# Altium PCB duo_x.PcbDoc (part 2 of 3)
Units mm, origin at the board's own origin, x right, y up, seen from the top; angles counter-clockwise.
Board outline 172 x 152 mm, 2 copper layers (Top Layer, Bottom Layer), stack 1.581 mm thick; 199 components, 164 nets, 858 pads, 437 vias.
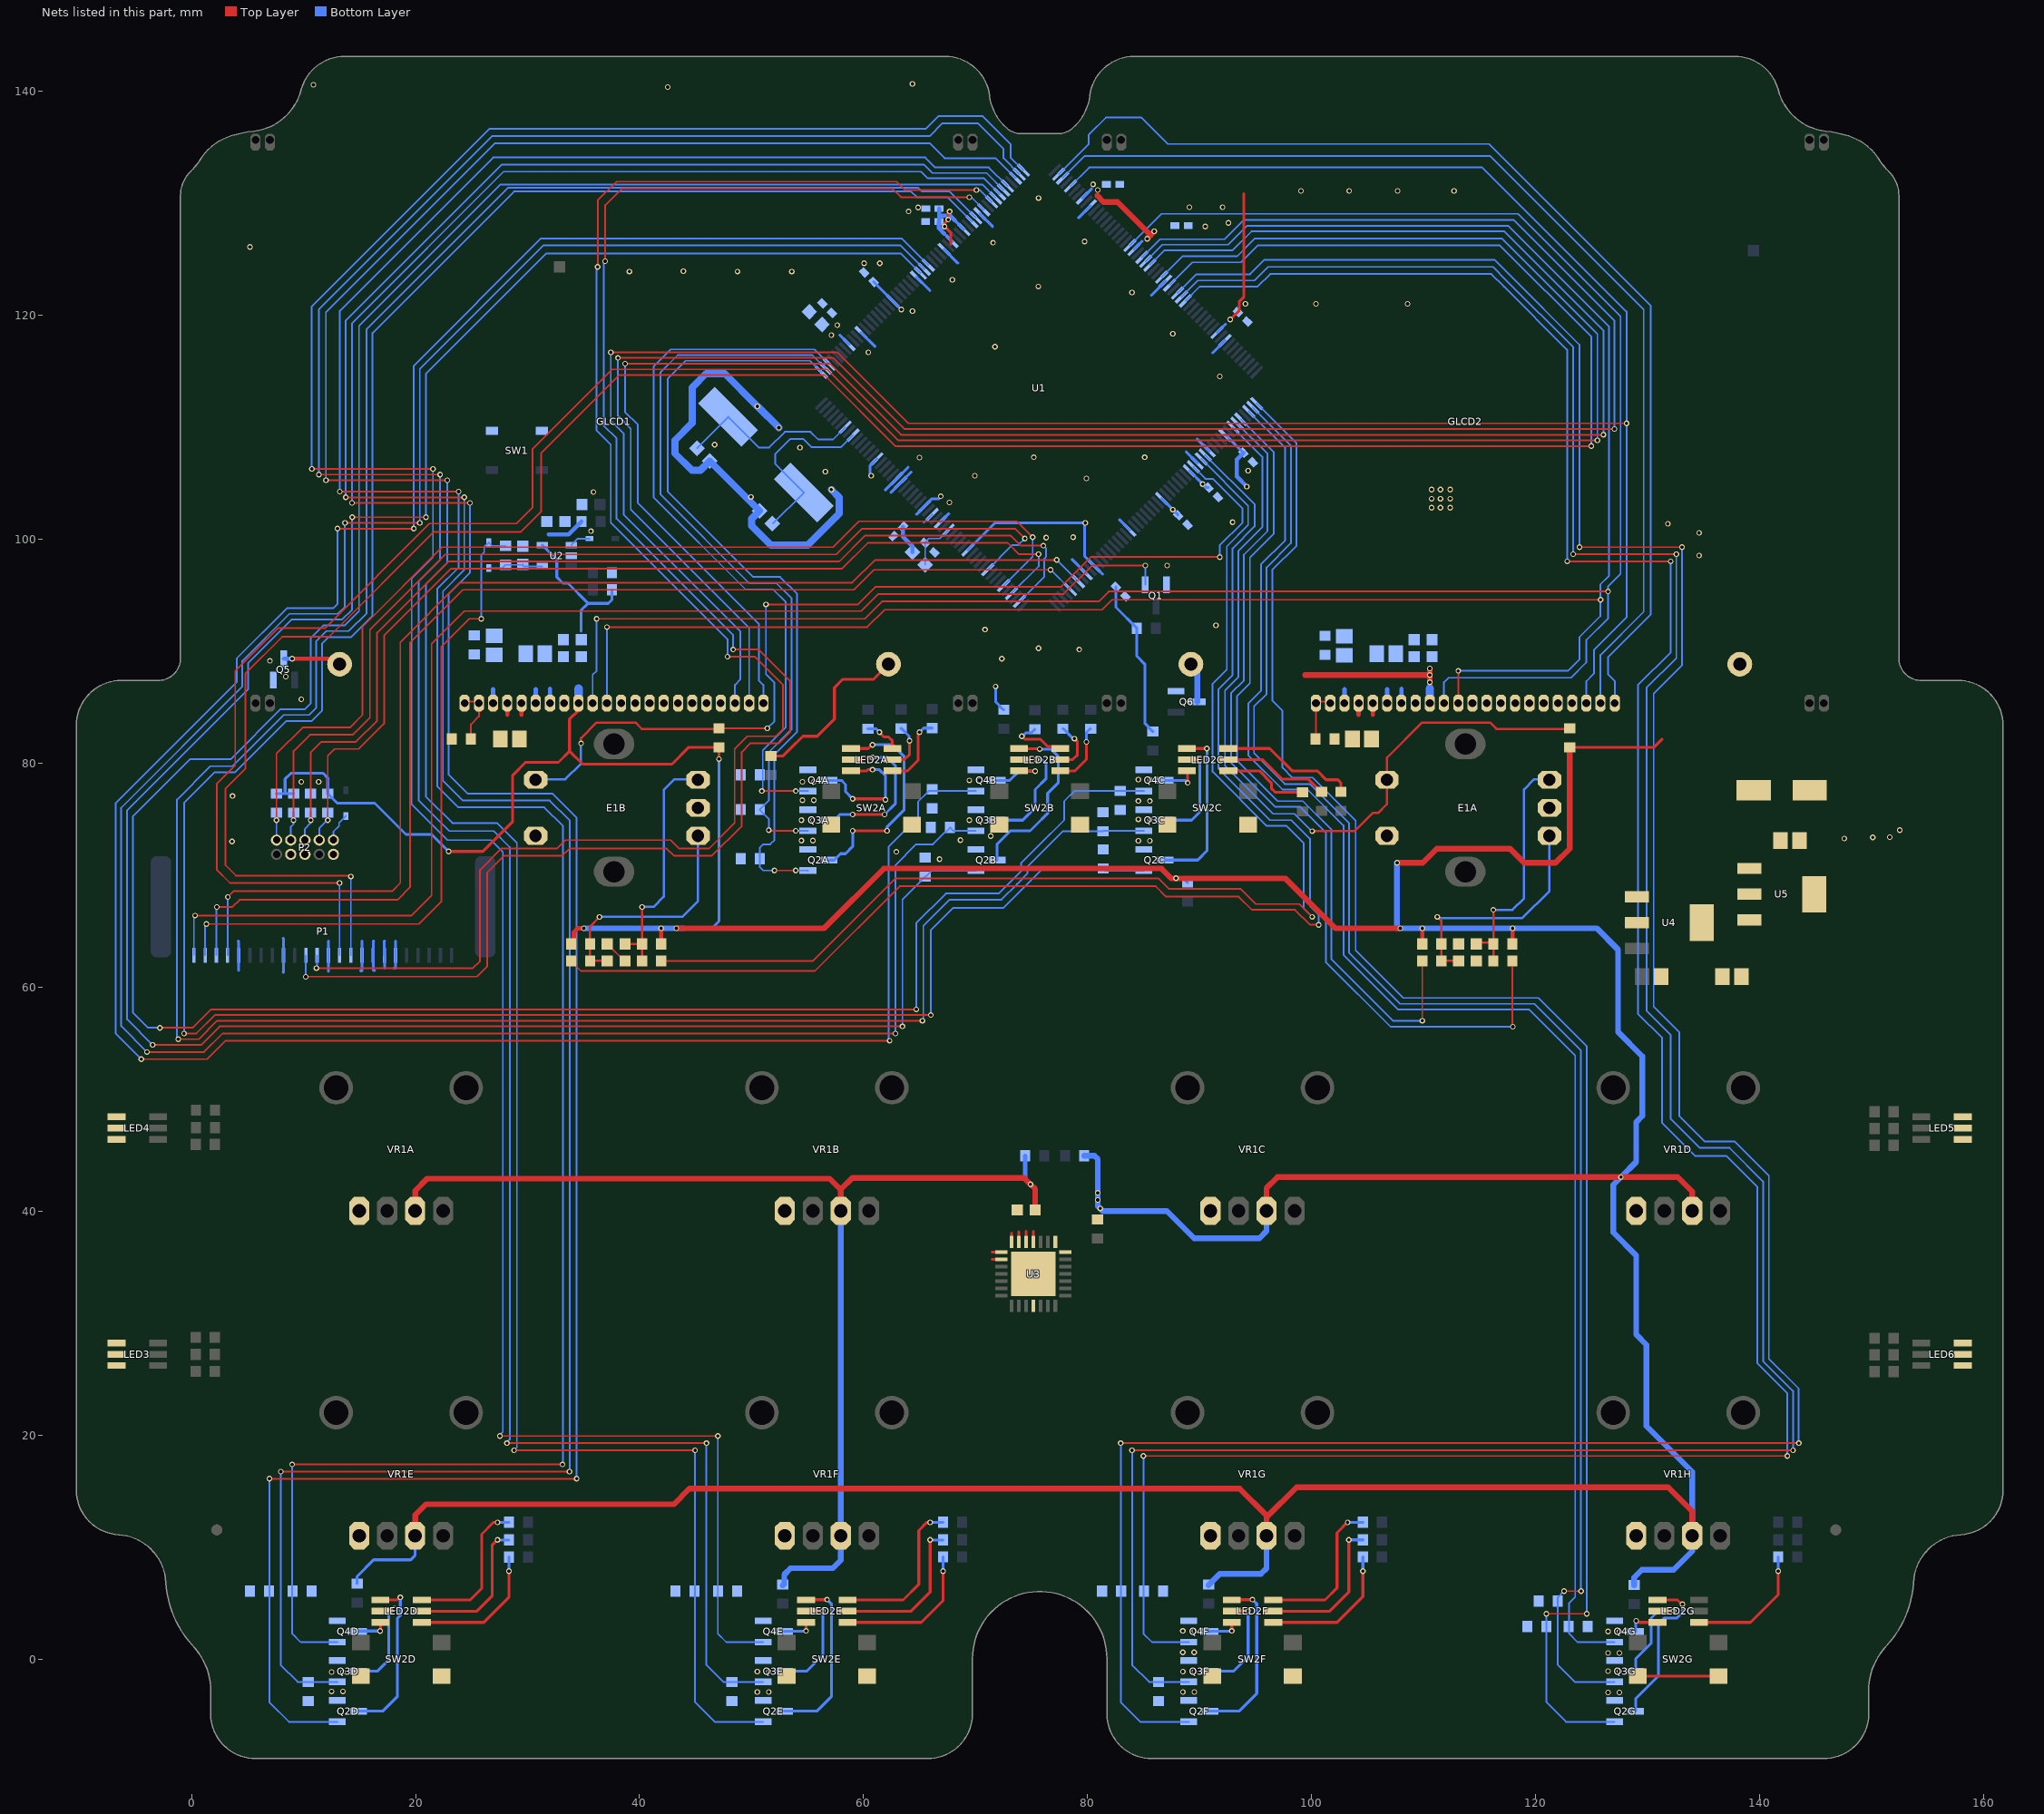
[diagram p2: the nets of this part, all layers, seen from the top]

## Via types
v1: diameter 0.5, hole 0.3, Top Layer to Bottom Layer, tented both sides, 437 vias

## Nets (pads, with @x,y where several pads share a name; then routed paths per layer and width w, separated by ;. In a path a pad name is that pad's centre, name@x,y a point inside that pad or via, vN(x,y) a via of type N, cw(c..) or ccw(c..) an arc to the next point about the centre after c; other vN are vias at no path point)
+3V3: C4.2 C7.2 C8.2 C9.2 C10.2 C11.2 C12.2 C13.2 C14.2 C15.2 C18.1 C19.1 C23.1 C24.1 C28.1 C29.1 C32.2 C33.2 C34.2 C35.2 C36.2 GLCD1.14 GLCD1.24 GLCD2.14 GLCD2.24 L1.2 R1.1 R2.2 R3.2 R4.2 R6.1 R7.1 R8.1 R10.1 R11.2 R13A.2 R13B.2 R13C.2 R13D.2 R13E.2 R13F.2 R13G.2 R17A.2 R17B.2 R18A.2 R18B.2 R20A.2 R20B.2 R34.1 U1.15 U1.26 U1.38 U1.60 U1.71 U1.86 U1.89 U1.112 U1.125 U1.146 U1.165 U1.174 U1.181 U1.198 U2.5 U3.25 U3.26 U5.2 VR1A.3 VR1B.3 VR1C.3 VR1D.3 VR1E.3 VR1F.3 VR1G.3 VR1H.3 | length 734.4
  Top Layer w0.254: v1(22.954,72.136) 26.002,72.136 28.669,74.803 28.669,78.954 29.813,80.098 32.753,80.098 33.749,81.094 ; GLCD1.14@34.541,85.36 34.541,84.746 33.749,83.954 33.749,81.094 ; v1(47.084,80.391) R17B.2@47.084,81.446 44.396,81.446 42.887,79.937 34.906,79.937 33.749,81.094 ; R13A.2@51.72,80.674 52.828,80.674 53.434,81.28 54.577,82.423 55.847,82.423 57.388,83.964 57.388,86.758 58.133,87.503 60.885,87.503 GLCD1.24@62.216,88.835 ; v1(67.679,129.286) 67.545,129.152 v1(67.545,128.559) 67.225,128.239 v1(67.225,127.934) 67.785,127.374 67.785,126.365 ; U3.26@74.501,37.267 74.501,38.227 ; U3.25@75.151,37.267 75.151,38.227 ; v1(92.724,119.634) 93.545,120.455 93.545,121.257 93.947,121.659 93.947,130.876 ; R17A.2@123.03,81.446 130.562,81.446 131.285,82.169
  Top Layer w0.381: R20B.2@33.875,63.888 34.135,64.148 34.135,64.925 34.487,65.278 v1(35.019,65.278) ; R18B.2@41.925,63.888 v1(41.925,65.278) ; R20A.2@109.875,63.888 v1(109.875,65.278) ; R18A.2@117.925,63.888 v1(117.925,65.278)
  Top Layer w0.508: VR1E.3@19.966,11.035 19.966,12.887 20.922,13.843 43.053,13.843 44.45,15.24 93.566,15.24 95.966,12.84 95.966,12.687 ; VR1A.3@19.966,40.035 19.966,41.843 21.049,42.926 56.96,42.926 57.966,41.919 ; v1(43.274,65.278) 56.482,65.278 61.816,70.612 86.602,70.612 87.491,69.723 97.666,69.723 102.111,65.278 v1(107.917,65.278) ; VR1B.3@57.966,40.035 57.966,41.919 ; C28.1@75.316,40.132 75.316,41.999 v1(74.897,42.418) 74.331,42.984 58.99,42.984 57.966,41.96 57.966,41.919 ; 80.866,130.683 81.412,130.137 82.661,130.137 85.629,127.17 ; v1(85.311,126.852) 85.629,127.17 ; v1(85.946,127.508) 85.946,127.487 85.629,127.17 ; VR1G.3@95.966,11.035 95.966,12.687 ; VR1C.3@95.966,40.035 95.966,42.076 96.943,43.053 v1(127.602,43.053) 132.682,43.053 133.966,41.769 VR1D.3@133.966,40.035 ; 99.408,87.884 v1(110.541,87.884) ; v1@107.633,71.12 109.906,71.12 111.165,72.378 117.708,72.378 118.966,71.12 121.76,71.12 123.03,72.39 R17A.2@123.03,81.446 ; v1(110.541,87.249) v1(110.541,87.884) ; v1(110.541,88.476) v1(110.541,87.884) ; VR1H.3@133.966,11.035 133.966,13.208 131.807,15.367 98.646,15.367 95.966,12.687
  Bottom Layer w0.254: R6.1@7.587,77.304 8.349,77.304 ; R7.1@9.111,77.304 8.349,77.304 ; R13D.2@14.779,6.76 14.779,7.413 16.256,8.89 19.558,8.89 19.966,9.298 VR1E.3@19.966,11.035 ; v1(22.954,72.136) 21.43,73.66 19.144,73.66 16.35,76.454 13.009,76.454 R8.1@12.159,77.304 12.159,78.703 11.741,79.121 8.866,79.121 8.349,78.604 8.349,77.304 ; U2.5@31.317,99.496 32.606,98.208 32.606,96.641 33.158,96.089 33.602,96.089 35.4,94.292 ; 34.765,91.821 34.765,93.657 35.4,94.292 ; R11.2@37.531,95.498 37.531,94.615 37.208,94.292 35.4,94.292 ; 43.909,65.278 46.449,65.278 47.084,65.913 v1(47.084,80.391) ; 57.879,118.237 U1.60@58.706,117.409 ; v1(60.673,105.688) 60.583,105.778 60.583,106.594 U1.38@61.181,107.192 ; C10.2@60.891,122.996 60.898,122.996 U1.71@62.595,121.298 v1(63.371,120.523) ; 64.71,102.235 U1.26@65.424,102.949 66.107,103.632 66.71,103.632 ; 67.191,127.309 U1.86@67.899,126.602 ; 68.166,128.456 U1.89@68.959,127.662 ; U1.15@69.313,99.06 71.726,101.473 v1(79.787,101.473) 79.723,101.409 79.723,98.514 U1.198@80.591,97.646 81.336,96.901 ; v1(71.779,86.868) 71.779,85.527 72.145,85.161 72.145,85.111 72.468,84.788 R13B.2@72.518,84.788 ; U1.112@79.53,130.491 80.34,131.301 ; C32.2@82.517,95.758 82.517,93.947 R1.1@84.389,92.075 84.389,89.568 85.122,88.835 85.122,83.56 85.446,83.236 85.446,83.186 85.769,82.863 R13C.2@85.819,82.863 ; U1.125@84.127,125.895 84.851,126.619 ; U1.181@86.601,103.656 v1(87.597,102.661) 88.079,102.179 C14.2@88.079,102.151 ; v1(87.891,69.756) 87.968,69.679 88.593,69.679 R4.2@88.916,69.356 ; U1.174@89.076,106.131 v1(90.264,104.943) 90.585,104.622 C13.2@90.773,104.622 ; U1.146@91.551,118.47 92.296,119.215 ; U1.165@92.258,109.313 92.33,109.313 C12.2@93.904,107.739
  Bottom Layer w0.381: 31.884,100.451 33.67,100.451 34.804,101.585 R10.1@34.804,101.594 ; C33.2@63.51,101.135 63.51,100.245 64.364,99.391 L1.2@64.364,98.864 ; C9.2@66.741,129.54 66.741,128.905 ; 67.191,127.309 66.734,127.766 C8.2@66.734,128.37 66.741,128.376 66.741,128.905 ; 68.166,128.456 67.717,128.905 66.741,128.905 ; R3.2@74.428,44.958 74.428,42.887 v1(74.897,42.418) ; C12.2@93.904,107.739 93.306,107.141 93.306,105.612 v1(94.201,104.717)
  Bottom Layer w0.508: v1(35.019,65.278) v1(41.925,65.278) v1(43.274,65.278) 43.909,65.278 ; R13E.2@52.779,6.604 52.915,6.739 52.915,7.568 53.475,8.129 57.245,8.129 57.966,8.85 VR1F.3@57.966,11.035 VR1B.3@57.966,40.035 ; R2.2@79.682,44.958 80.61,44.958 80.904,44.665 v1(80.904,41.656) v1(80.904,41.021) 80.904,40.475 v1(81.12,40.259) 81.344,40.035 87.058,40.035 89.501,37.592 95.33,37.592 95.966,38.228 VR1C.3@95.966,40.035 ; R13F.2@90.779,6.604 91.795,7.62 95.471,7.62 95.966,8.115 VR1G.3@95.966,11.035 ; v1@107.6,71.12 107.6,65.278 v1(107.917,65.278) v1(109.875,65.278) v1(117.925,65.278) 125.443,65.278 127.348,63.373 127.348,56.007 129.507,53.848 129.507,48.514 128.966,47.973 128.966,44.417 v1(127.602,43.053) 126.916,42.367 126.916,38.118 128.966,36.068 128.966,29.003 129.888,28.081 129.888,20.828 133.966,16.75 VR1H.3@133.966,11.035 133.966,9.666 132.301,8.001 129.474,8.001 128.779,7.306 R13G.2@128.779,6.623 R13G.2@128.779,6.604
  Bottom Layer w0.762: GLCD1.14@34.541,85.535 34.541,86.669 ; GLCD2.14@110.541,85.535 110.541,86.669
  other v1: 107.632,71.12 147.541,73.286 150.081,73.388 151.605,73.413 152.494,74.041 110.711,102.836 111.5,102.836 112.362,102.836 67.658,103.303 110.711,103.632 111.5,103.632 112.362,103.632 66.896,103.853 110.711,104.452 111.5,104.452 112.362,104.452 57.117,118.237 57.645,119.126 80.904,131.198 80.485,131.699
CLI_UART_RX: P1.15 U1.134 | length 225.6
  Top Layer w0.152: v1(14.223,69.904) 14.15,69.977 3.96,69.977 3.034,70.903 3.034,77.767 4.816,79.55 4.816,88.034 8.095,91.313 12.286,91.313 21.646,100.673 29.395,100.673 31.209,102.488 31.209,107.696 38.194,114.681 56.482,114.681 62.829,108.334 v1(124.962,108.334)
  Bottom Layer w0.152: P1.15@14.216,62.865 14.223,62.872 v1(14.223,69.904) ; U1.134@87.309,122.713 89.337,124.741 93.672,124.741 95.179,126.248 116.797,126.248 124.962,118.083 v1(124.962,108.334)
CLI_UART_TX: P1.14 U1.132 | length 228.2
  Top Layer w0.152: v1(13.216,69.323) 3.433,69.323 2.253,70.504 2.253,78.188 3.904,79.839 3.904,88.265 7.714,92.075 11.905,92.075 21.249,101.419 28.996,101.419 30.45,102.873 30.45,108.089 37.547,115.186 56.739,115.186 63.086,108.839 v1(125.501,108.839)
  Bottom Layer w0.152: P1.14@13.216,62.865 v1(13.216,69.323) ; U1.132@86.601,123.42 88.461,125.28 91.338,125.28 93.332,125.28 94.925,126.873 116.965,126.873 125.501,118.337 v1(125.501,108.839)
ENC_A1: R21A.1 U1.161 | length 71.3
  Top Layer w0.152: v1(109.875,57.023) R21A.1@109.875,62.364
  Bottom Layer w0.152: U1.161@93.673,110.727 96.622,107.777 96.622,100.536 94.483,98.396 94.483,87.15 93.324,85.991 93.324,80.273 96.96,76.638 99.203,76.638 101.764,74.076 101.764,62.515 107.274,57.005 v1@109.875,57.005
ENC_A2: R21B.1 U1.170 | length 121.6
  Top Layer w0.152: R21B.1@33.875,62.364 34.771,61.468 55.643,61.468 63.21,69.034 86.084,69.034 87.01,68.108 93.489,68.108 94.667,66.929 98.514,66.929 99.858,65.584 v1(100.624,65.584)
  Bottom Layer w0.152: U1.170@90.491,107.545 94.898,103.138 94.898,101.166 92.931,99.199 92.931,87.884 91.661,86.614 91.661,79.555 96.286,74.93 98.19,74.93 99.84,73.28 99.84,67.262 100.624,66.477 v1(100.624,65.584)
ENC_B1: R19A.1 U1.162 | length 79.9
  Top Layer w0.152: 117.925,61.855 117.925,56.509 v1(117.95,56.484)
  Bottom Layer w0.152: U1.162@93.319,110.374 96.053,107.64 96.053,100.748 93.947,98.642 93.947,87.412 92.804,86.269 92.804,80.058 96.744,76.117 98.988,76.117 101.266,73.839 101.266,62.277 107.059,56.484 v1(117.95,56.484)
ENC_B2: R19B.1 U1.171 | length 111.3
  Top Layer w0.152: R19B.1@41.925,62.364 55.473,62.364 62.832,69.723 86.327,69.723 87.239,68.811 93.628,68.811 95.002,67.437 98.903,67.437 v1(100.043,66.297)
  Bottom Layer w0.152: U1.171@90.137,107.192 94.328,103.001 94.328,101.277 92.423,99.372 92.423,88.392 91.153,87.122 91.153,79.248 95.979,74.422 97.754,74.422 99.281,72.895 99.281,67.059 v1(100.043,66.297)
ENC_SW1: E1A.2 R17A.1 U1.163 | length 72.5
  Top Layer w0.203: v1(100.043,73.953) 103.833,73.953 105.445,75.565 105.918,75.565 106.716,76.363 E1A.2@106.716,78.535 ; E1A.2@106.716,78.585 106.716,80.514 109.851,83.649 115.918,83.649 116.482,83.085 122.969,83.085 R17A.1@123.03,83.146
  Bottom Layer w0.152: U1.163@92.965,110.02 95.598,107.388 95.598,101.092 93.439,98.933 93.439,87.703 92.263,86.527 92.263,79.801 96.565,75.499 98.458,75.499 100.004,73.953 v1(100.043,73.953)
ENC_SW2: E1B.2 R17B.1 U1.173 | length 89.4
  Top Layer w0.152: R17B.1@47.023,83.085 47.073,83.135 v1(51.402,83.135) ; v1(51.275,94.2) 59.496,94.2 61.054,95.758 77.608,95.758 80.275,98.425 v1(91.788,98.425)
  Top Layer w0.203: v1@34.771,81.785 34.771,82.254 36.166,83.649 39.621,83.649 40.185,83.085 R17B.1@47.023,83.085 ; R17B.1@47.073,83.135 R17B.1@47.084,83.146
  Bottom Layer w0.152: v1(51.275,94.2) 51.275,87.972 52.037,87.21 52.037,83.77 v1(51.402,83.135) ; U1.173@89.43,106.485 90.505,105.41 91.153,105.41 93.82,102.743 93.82,101.485 91.788,99.453 v1(91.788,98.425)
  Bottom Layer w0.203: E1B.2@30.716,78.585 33.365,78.585 34.77,79.99 v1(34.77,81.785)
GLCD_CD: GLCD1.3 GLCD2.3 U1.109 | length 221.8
  Top Layer w0.152: v1(37.432,116.702) 37.44,116.71 39.972,116.71 57.628,116.71 63.975,110.363 v1(128.105,110.363)
  Bottom Layer w0.152: v1(37.432,116.702) 37.432,110.617 38.575,109.474 38.575,102.229 48.989,91.815 48.989,87.486 48.511,87.008 GLCD1.3@48.511,85.36 ; U1.109@78.47,131.552 80.141,133.223 115.218,133.223 128.105,120.335 v1(128.105,110.363) 128.105,93.046 125.189,90.13 125.189,88.011 124.511,87.333 GLCD2.3@124.511,85.36
GLCD_SCLK: GLCD1.12 GLCD2.12 U1.128 | length 187.9
  Top Layer w0.152: v1(37.081,92.172) 60.325,92.172 61.879,93.726 81.293,93.726 82.182,94.615 v1(125.781,94.615) ; GLCD2.12@113.081,85.36 v1(113.081,88.265)
  Bottom Layer w0.152: GLCD1.12@37.081,85.36 v1(37.081,92.172) ; U1.128@85.187,124.834 86.677,126.324 92.545,126.324 94.238,128.016 117.517,128.016 126.545,118.989 126.545,96.771 125.767,95.993 125.767,93.148 123.891,91.273 123.891,89.281 122.875,88.265 v1(113.081,88.265)
GLCD_SI: GLCD1.13 GLCD2.13 U1.124 | length 195.3
  Top Layer w0.152: v1(36.162,92.91) 60.102,92.91 61.657,94.464 80.987,94.464 81.876,95.353 v1(126.459,95.353)
  Bottom Layer w0.152: GLCD1.13@35.811,85.36 35.811,87.914 36.162,88.265 v1(36.162,92.91) ; U1.124@83.773,126.248 86.601,129.077 118.413,129.077 127.566,119.924 127.566,96.916 126.459,95.809 v1(126.459,95.353) 126.459,92.964 124.511,91.016 124.511,89.012 123.145,87.645 112.207,87.645 111.811,87.249 GLCD2.13@111.811,85.36
GND: C1.2 C2.2 C3.1 C4.1 C5.1 C6.2 C7.1 C8.1 C9.1 C10.1 C11.1 C12.1 C13.1 C14.1 C15.1 C16A.1 C16B.1 C17A.1 C17B.1 C18.2 C19.2 C20.2 C23.2 C24.2 C25.2 C28.2 C29.2 C30.1 C31.1 C32.1 C33.1 C34.1 C35.1 C36.1 E1A.1 E1A.C E1B.1 E1B.C GLCD1.4 GLCD1.5 GLCD1.6 GLCD1.7 GLCD1.8 GLCD1.9 GLCD1.10 GLCD1.11 GLCD1.15 GLCD2.4 GLCD2.5 GLCD2.6 GLCD2.7 GLCD2.8 GLCD2.9 GLCD2.10 GLCD2.11 GLCD2.15 LED3.1 LED3.2 LED3.3 LED4.1 LED4.2 LED4.3 LED5.1 LED5.2 LED5.3 LED6.1 LED6.2 LED6.3 P1.5 P1.9 P1.13 P1.16 P1.17 P1.18 P1.19 P2.3 P2.5 P2.9 Q1.2 Q2A.2 Q2B.2 Q2C.2 Q2D.2 Q2E.2 Q2F.2 Q2G.2 Q3A.2 Q3B.2 Q3C.2 Q3D.2 Q3E.2 Q3F.2 Q3G.2 Q4A.2 Q4B.2 Q4C.2 Q4D.2 Q4E.2 Q4F.2 Q4G.2 Q5.2 Q6.2 R9.1 R12.2 R22.2 R23.1 R24A.2 R24B.2 R24C.2 R24D.2 R24E.2 R24F.2 R24G.2 R25.2 R26.1 R27A.2 R27B.2 R27C.2 R27D.2 R27E.2 R27F.2 R27G.2 R46A.2 R46B.2 R46C.2 R46D.2 R46E.2 R46F.2 R46G.2 SW1.3 SW1.4 SW2A.1 SW2A.2 SW2B.1 SW2B.2 SW2C.1 SW2C.2 SW2D.1 SW2D.2 SW2E.1 SW2E.2 SW2F.1 SW2F.2 SW2G.1 SW2G.2 U1.22 U1.32 U1.33 U1.63 U1.77 U1.84 U1.93 U1.114 U1.133 U1.148 U1.169 U1.172 U1.189 U1.200 U2.2 U3.1 U3.2 U3.11 U3.21 U3.22 U3.27 U3.28 U3.29 U4.1 U5.1 VR1A.1 VR1B.1 VR1C.1 VR1D.1 VR1E.1 VR1F.1 VR1G.1 VR1H.1 | length 97.3
  Top Layer w0.152: C16B.1@37.1,63.888 38.624,62.364 C17B.1@38.7,62.364
  Top Layer w0.254: 71.468,35.717 U3.2@72.301,35.717 ; 71.468,36.367 U3.1@72.301,36.367 ; U3.28@73.201,37.267 73.201,38.063 ; U3.27@73.851,37.267 73.851,38.193 ; SW2G.1@129.116,-1.5 SW2G.2@136.316,-1.5
  Bottom Layer w0.254: 4.171,64.135 4.216,64.091 P1.5@4.216,62.865 4.216,61.506 ; 8.191,61.341 8.216,61.366 P1.9@8.216,62.865 8.216,64.364 8.191,64.389 ; 12.222,61.439 12.216,61.445 P1.13@12.216,62.865 12.216,64.128 12.222,64.135 ; 15.093,61.49 15.216,61.49 P1.16@15.216,62.865 15.216,64.135 ; 16.262,64.135 16.216,64.135 P1.17@16.216,62.865 16.216,61.506 16.35,61.506 ; 17.25,61.722 17.25,62.865 P1.18@17.216,62.865 17.216,64.135 17.25,64.135 ; 18.069,61.722 18.216,61.722 P1.19@18.216,62.865 18.216,64.135 ; U1.63@59.767,118.47 60.993,117.244 ; 61.941,104.416 U1.33@62.949,105.424 63.976,106.451 ; 62.445,104.214 U1.32@63.302,105.07 64.258,106.026 ; U1.77@64.717,123.42 65.918,122.218 ; U1.22@66.838,101.535 67.598,102.295 ; U1.84@67.191,125.895 68.42,124.666 ; U1.93@70.373,129.077 71.516,127.934 ; 78.614,98.209 U1.200@79.884,96.939 ; 79.177,128.723 U1.114@80.238,129.784 ; 82.863,101.738 U1.189@83.773,100.828 ; 85.682,121.793 U1.133@86.955,123.066 ; 88.799,107.823 U1.172@89.783,106.838 ; 89.79,108.953 U1.169@90.844,107.899 ; 91.153,116.658 U1.148@92.258,117.763
  Bottom Layer w0.635: v1(52.44,109.982) 50.535,111.887 v1(50.513,111.887) 47.592,114.808 45.941,114.808 44.701,113.568 44.701,110.393 43.147,108.839 43.147,107.696 44.671,106.172 45.421,106.172 C3.1@46.253,107.003 C2.2@50.709,102.547 50.005,101.842 50.005,101.217 51.726,99.496 55.013,99.496 57.825,102.308 ; v1(57.117,104.452) 57.825,103.744 57.825,102.308 ; 57.526,102.009 57.825,102.308
  other v1: 126.459,-2.96 127.475,-2.96 50.513,-2.917 51.529,-2.917 88.503,-2.917 89.519,-2.917 12.502,-2.865 13.518,-2.865 12.502,-1.143 13.518,-1.143 50.513,-1.102 51.529,-1.102 88.503,-1.102 89.519,-1.102 126.459,-1.05 127.475,-1.05 126.459,0.571 127.475,0.571 88.486,0.629 89.502,0.629 126.459,2.482 127.475,2.482 88.486,2.54 89.502,2.54 66.778,71.455 62.925,72.109 3.615,73.025 84.528,73.091 85.544,73.091 54.448,73.115 55.464,73.115 68.641,73.152 71.339,73.518 54.448,74.93 55.464,74.93 69.436,74.93 70.452,74.93 84.528,75.002 85.544,75.002 84.528,76.645 85.544,76.645 54.533,76.708 55.549,76.708 3.65,77.089 11.351,78.351 54.533,78.351 55.549,78.351 9.8,78.359 69.436,78.486 70.367,78.507 84.528,78.556 85.544,78.556 9.8,85.725 8.422,87.757 6.991,89.157 72.337,89.342 79.253,90.17 75.62,90.279 70.833,91.948 91.445,92.329 87.089,97.663 134.587,98.567 76.294,100.162 78.701,100.203 134.587,100.584 35.654,100.736 131.793,101.404 92.937,101.535 49.947,103.795 35.881,104.224 79.885,105.44 69.92,105.688 56.587,106.045 94.328,106.131 64.991,107.315 75.196,107.339 85.093,107.339 54.311,108.204 46.703,108.458 91.788,114.554 60.419,116.702 71.722,117.207 87.597,118.364 64.358,120.396 94.074,121.037 100.381,121.037 108.552,121.037 83.956,122.047 75.595,122.586 67.923,123.19 39.09,123.922 48.735,123.922 53.582,123.922 43.909,123.952 61.435,124.656 60.038,124.666 5.213,126.111 71.557,126.492 79.723,126.602 90.491,127.937 92.559,128.27 64.009,129.286 64.864,129.645 92.048,129.656 89.087,129.667 75.62,130.48 99.034,131.119 103.345,131.119 107.663,131.119 112.715,131.119 42.512,140.387 10.889,140.589 64.358,140.673
HMI_ISP_ENABLE: P1.1 Q1.1 | length 116.3
  Top Layer w0.152: v1(0.309,66.421) 19.652,66.421 21.435,68.204 21.435,90.683 24.351,93.599 59.784,93.599 61.308,95.123 77.859,95.123 80.399,97.663 v1(85.144,97.663)
  Bottom Layer w0.152: P1.1@0.216,62.865 0.216,66.234 0.309,66.327 v1(0.309,66.421) ; Q1.1@85.144,95.946 v1(85.144,97.663)
HMI_RESET: D1.1 P1.2 R5.1 | length 60.7
  Top Layer w0.152: v1(1.325,65.659) 20.287,65.659 22.319,67.691 22.319,90.424 24.805,92.91 v1(25.875,92.91)
  Bottom Layer w0.152: P1.2@1.216,62.865 1.216,65.456 1.325,65.565 v1(1.325,65.659) ; v1(25.875,92.91) 25.875,98.61 26.129,98.864 26.129,99.342 D1.1@26.521,99.734 26.821,99.434 R5.1@28.045,99.434
HMI_RFU_01(RX): P1.11 U1.94 | length 154
  Top Layer w0.152: v1@10.236,60.96 25.494,60.96 26.383,61.849 26.383,70.231 27.907,71.755 33.114,71.755 33.749,72.39 42.426,72.39 43.061,71.755 46.458,71.755 49.116,74.413 49.116,81.026 49.878,81.788 52.427,81.788 53.434,82.795 53.434,87.376 50.64,90.17 v1(48.354,90.17) ; v1(36.924,124.841) 36.924,129.856 38.386,131.318 62.578,131.318 63.34,130.556 v1(69.436,130.556)
  Bottom Layer w0.152: v1(10.196,60.949) 10.206,60.959 10.206,62.855 P1.11@10.216,62.865 ; v1(36.924,124.841) 36.797,124.714 36.797,110.177 37.94,109.034 37.94,101.854 48.354,91.44 v1(48.354,90.17) ; v1(69.436,130.556) 69.601,130.556 U1.94@70.727,129.43
HMI_RFU_02(TX): P1.12 U1.96 | length 153.1
  Top Layer w0.152: v1(11.143,61.722) 25.113,61.722 25.748,62.357 25.748,70.494 27.644,72.39 32.606,72.39 33.368,73.152 42.766,73.152 43.528,72.39 46.195,72.39 48.481,74.676 48.481,81.289 49.615,82.423 52.164,82.423 52.799,83.058 52.799,86.995 50.259,89.535 v1(47.846,89.535) ; v1(36.261,124.333) 36.261,130.273 37.941,131.953 62.959,131.953 63.714,131.198 v1(70.071,131.198)
  Bottom Layer w0.152: v1(11.143,61.722) 11.143,61.816 11.216,61.889 P1.12@11.216,62.865 ; v1(36.261,124.333) 36.162,124.234 36.162,109.728 37.432,108.458 37.432,101.503 47.846,91.089 v1(47.846,89.535) ; v1(70.071,131.198) 70.373,131.198 U1.96@71.434,130.137
HMI_UART_RX: P1.4 U1.202 | length 107
  Top Layer w0.152: v1(3.244,68.072) 3.752,68.58 17.893,68.58 18.636,69.323 18.636,90.813 23.962,96.139 58.988,96.139 61.02,98.171 v1(77.237,98.171)
  Bottom Layer w0.152: P1.4@3.216,62.865 3.23,62.879 3.23,68.058 v1(3.244,68.072) ; v1(77.237,98.171) U1.202@79.177,96.232
HMI_UART_TX: P1.3 U1.204 | length 106.5
  Top Layer w0.152: v1(2.253,67.183) 3.65,67.183 4.285,67.818 18.382,67.818 19.525,68.961 19.525,90.804 24.225,95.504 59.149,95.504 60.927,97.282 v1(76.689,97.282)